# Altium PCB ESP32-PicoDK-BACKUP.PcbDoc
Units mil, origin at the board's own origin, x right, y up, seen from the top; angles counter-clockwise.
Board outline 2080 x 860 mil, 2 copper layers (Top1, Bottom2), stack 40.202 mil thick; 50 components, 69 nets, 281 pads, 141 vias.
Unrouted connection lines stored in the file: 62.
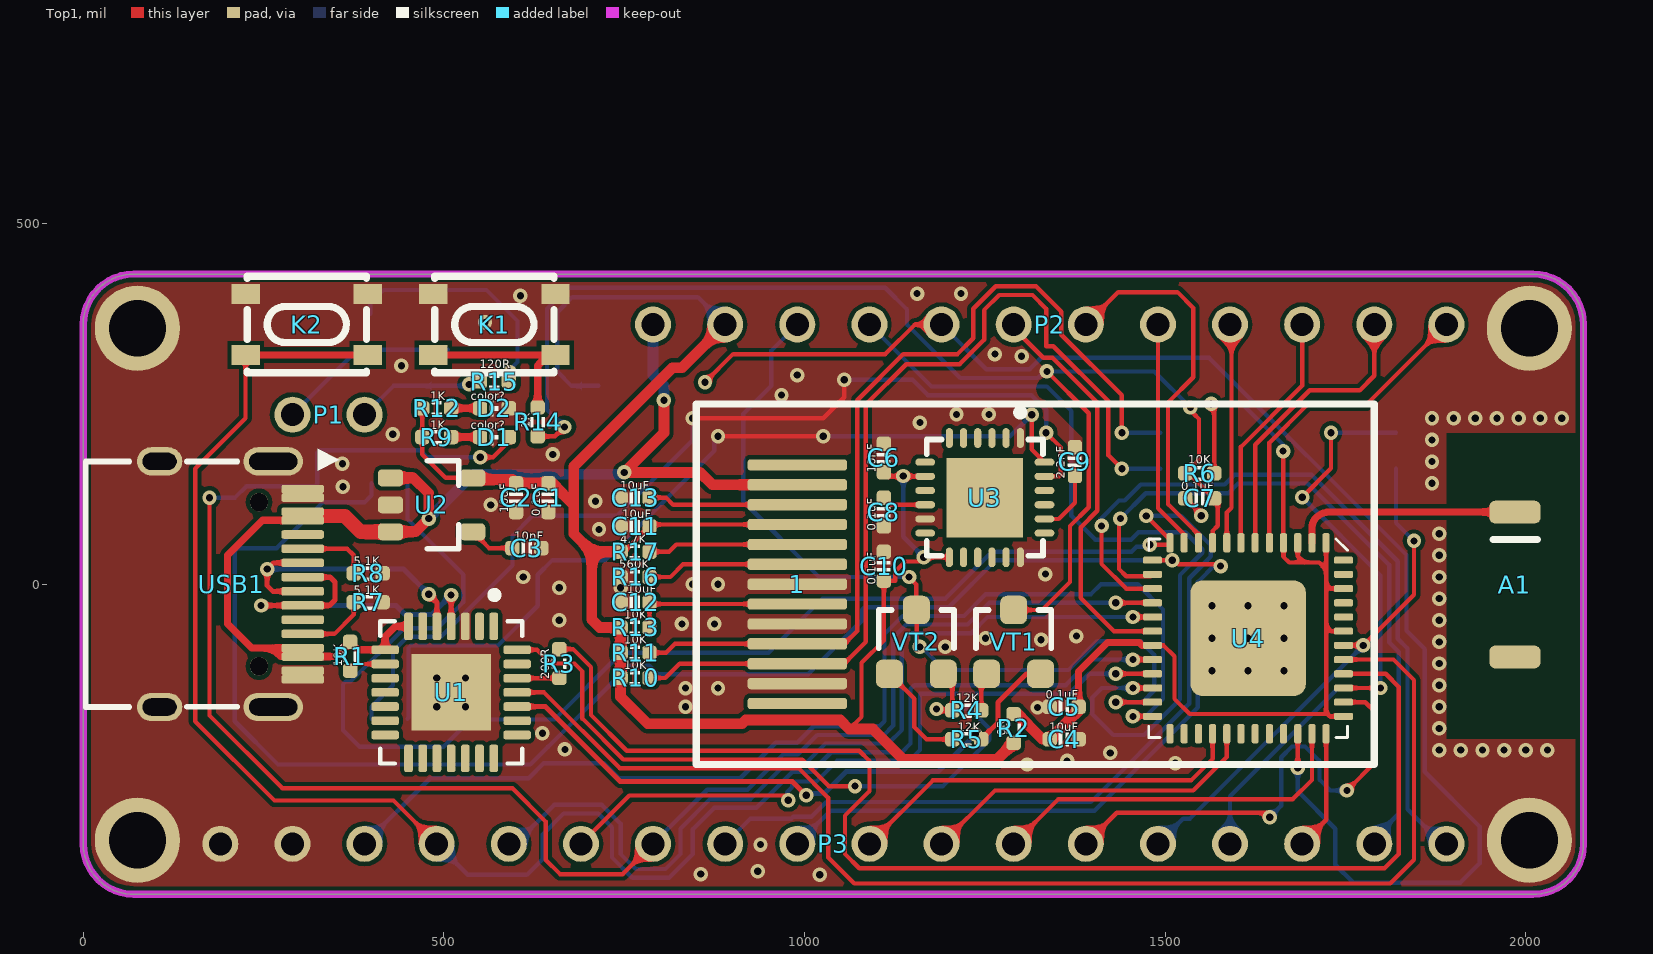
[diagram p0: Top1 view]
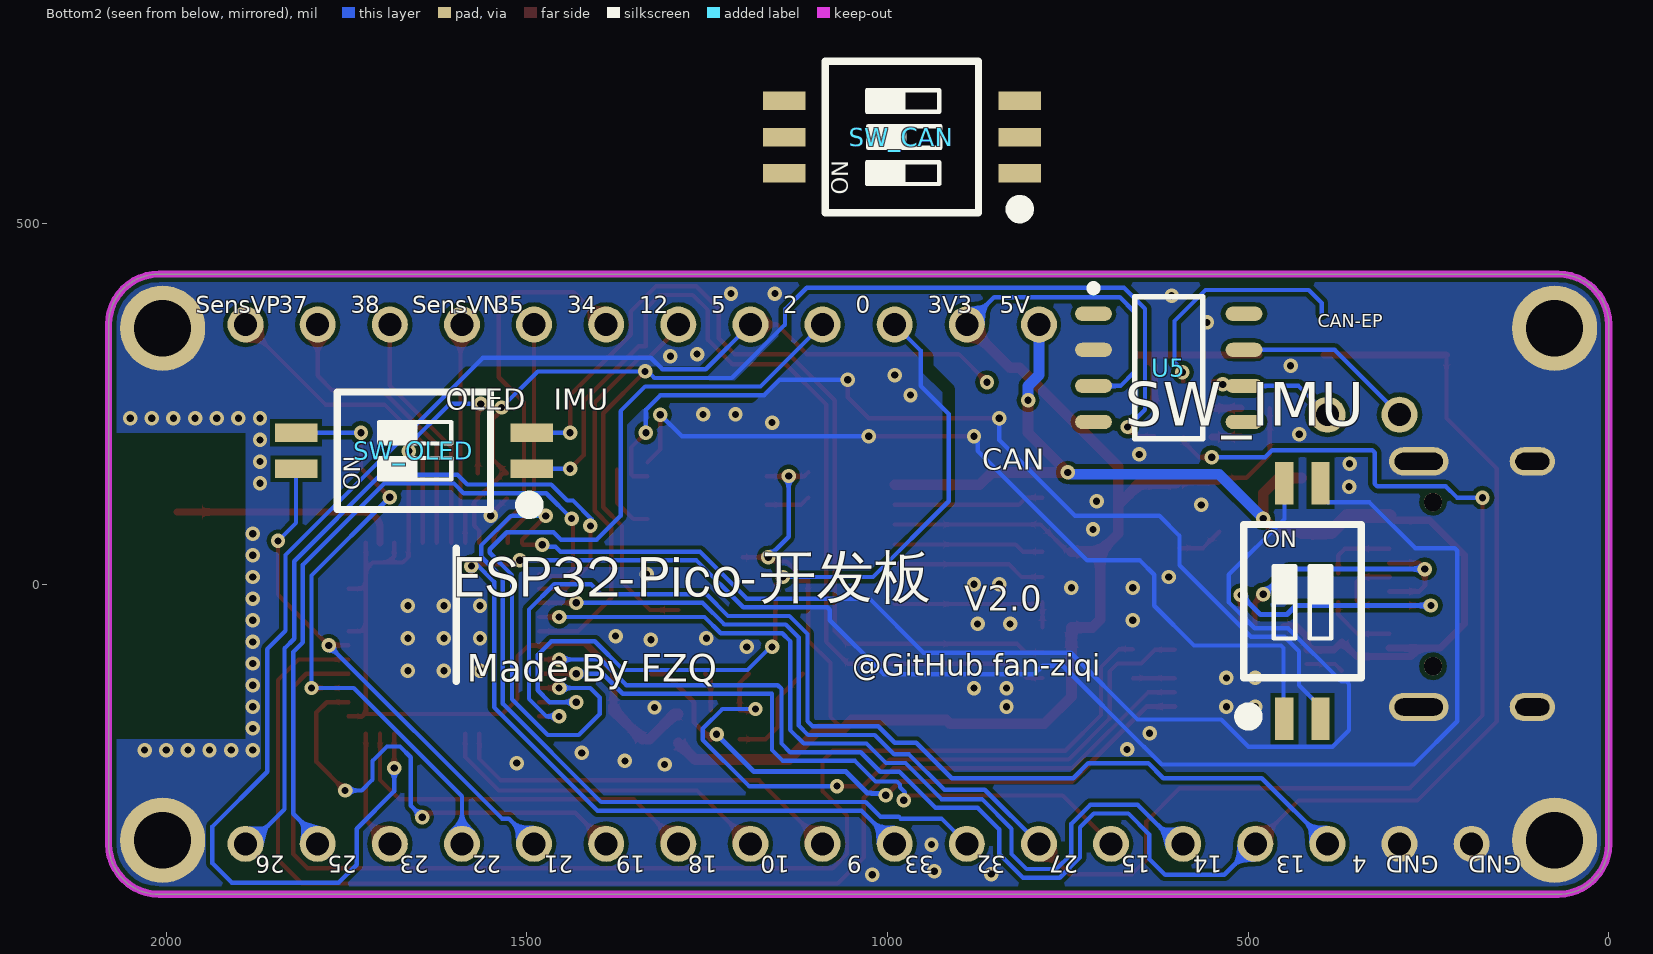
[diagram p1: Bottom2 view, seen from below]
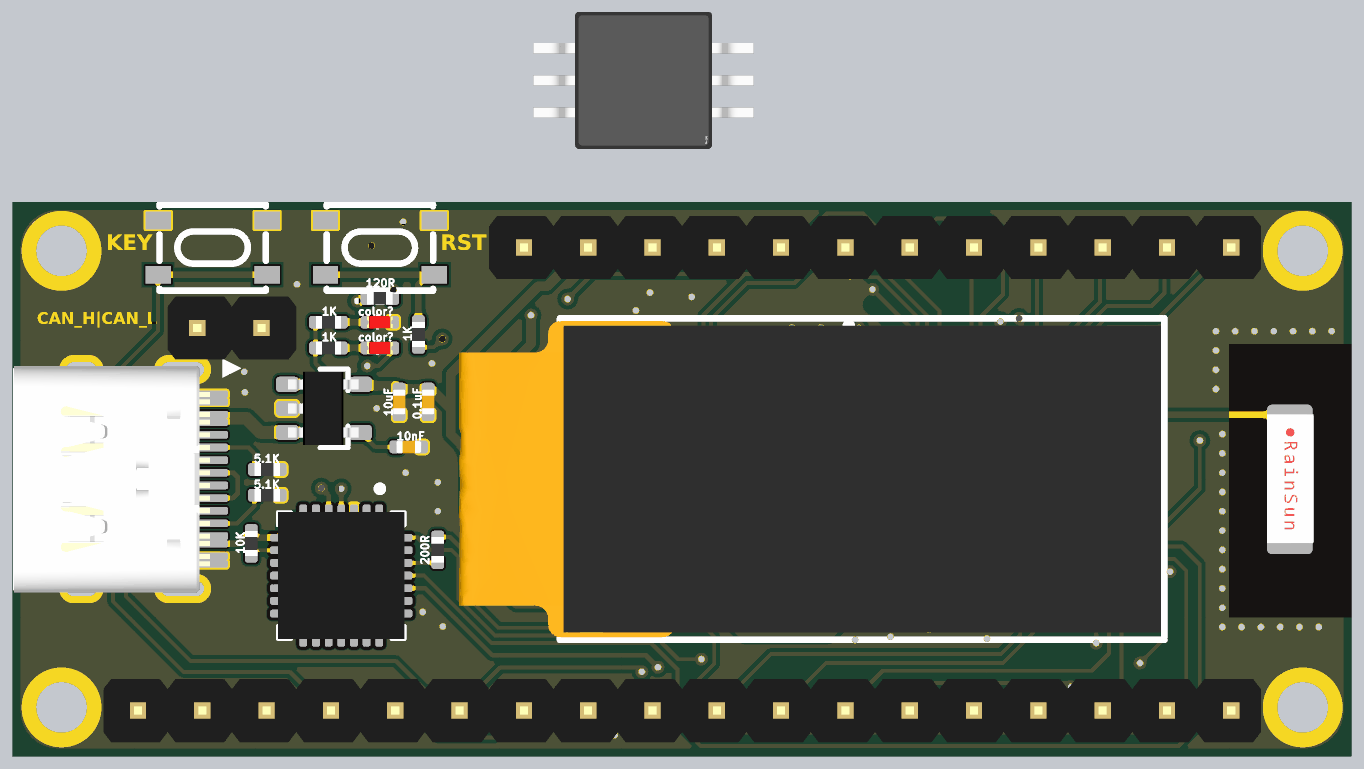
[diagram p2: 3D render of the assembled board from above, using the file's embedded part models]
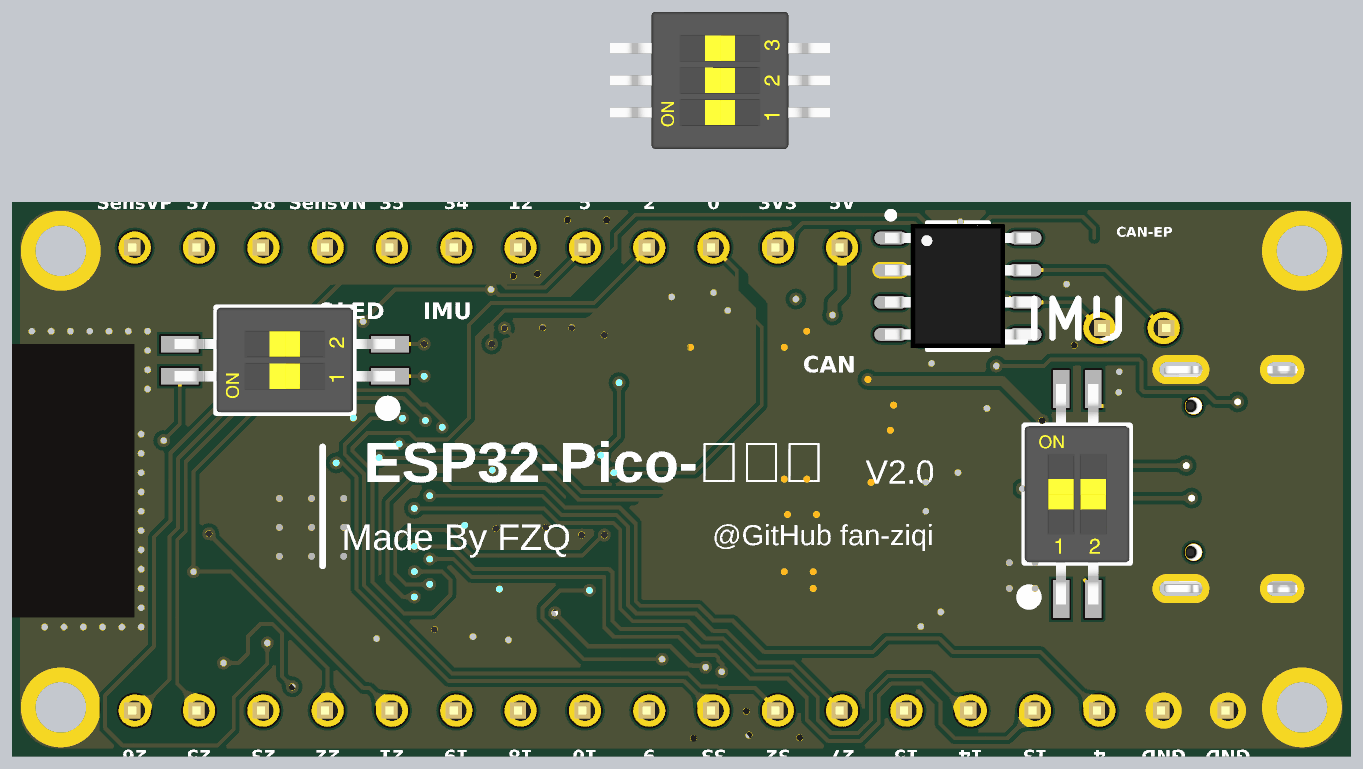
[diagram p3: 3D render of the assembled board from below, using the file's embedded part models]

## Layer stack, top to bottom
Top Solder: solder mask 0.4, Solder Resist, Dk 3.5
Top1: signal copper 1.4
Dielectric 1: core 37.4016, FR-4, Dk 4.2
Bottom2: signal copper 1.4
Bottom Solder: solder mask 0.4, Solder Resist, Dk 3.5

## Board outline
0,-360 0,360 cw(c70,360) 70,430 2010,430 cw(c2010,360) 2080,360 2080,-360 cw(c2010,-360) 2010,-430 70,-430 cw(c70,-360)

## Design rules (kind name [scope] priority, off if disabled: settings)
Clearance [All] p1: gap=6 ignorepadtopadclearanceinfootprint=FALSE
ComponentClearance [All] p1: gap=0 collisioncheckmode=3 verticalgap=0 showdistances=FALSE
DiffPairsRouting [All] p1: maxlimit=9 minlimit=9 mostfreqgap=9 toplayer_minwidth=4 toplayer_maxwidth=4 toplayer_prefwidth=4 bottomlayer_minwidth=4 bottomlayer_maxwidth=4 bottomlayer_prefwidth=4 maxuncoupledlength=500
FanoutControl Fanout_BGA [All] p1: bgadir=Out bgaviamode=Centered fanoutstyle=Auto fanoutdirection=Alternating viagrid=1 // Fanout_BGA (Default Rule)
HoleSize [All] p1: absolutevalues=TRUE maxlimit=10000 minlimit=8 maxpercent=80.000 minpercent=20.000
MinimumSolderMaskSliver [All] p1 off: minsoldermaskwidth=2
PlaneClearance [All] p1: clearance=8
PlaneConnect [All] p1: planeconnectstyle=Direct reliefexpansion=20 reliefentries=4 reliefconductorwidth=10 reliefairgap=10
PolygonConnect [All] p1: connectstyle=Direct reliefconductorwidth=10 reliefentries=4 polygonreliefangle="90 Angle" airgapwidth=10
RoutingVias [All] p1: holewidth=8 width=16 viastyle="Through Hole" minholewidth=6 minwidth=12 maxholewidth=28 maxwidth=50
SilkToBoardRegionClearance [All] p1 off:
SilkToSilkClearance [All] p1: silktosilkclearance=0
SilkToSolderMaskClearance [IsPad] p1: minsilkscreentomaskgap=0 clearancetoexposedcopper=TRUE
SolderMaskExpansion [All] p1: expansion=3 istentingtop=FALSE
Width [All] p1: maxlimit=10000 minlimit=6 preferedwidth=7
20 further rules are at their usual default settings.

## Components (designator, comment, footprint, x,y, rotation, side; value= is the part's Value field where it differs from the comment)
1 "OLED-12880" OLED-12880 990,0 r180 top locked
A1 "RAINSUN" ANT-Rainsun-AN5120 1985,0 r270 top
C1 "0.1uF" CAP_0402 645,120 r90 top value=0.1u
C2 "10uF" CAP_0402 600,120 r90 top value=0.1u
C3 "10nF" CAP_0402 615,50 r180 top value=0.1u
C4 "10uF" CAP_0402 1360,-215 r180 top value=0.1u
C5 "0.1uF" CAP_0402 1360,-170 r0 top value=0.1u
C6 "10nF" CAP_0402 1110,175 r90 top value=0.1u
C7 "0.1uF" CAP_0402 1548,118.89 r180 top value=0.1u
C8 "0.1uF" CAP_0402 1110,100 r270 top value=0.1u
C9 "2.2nF" CAP_0402 1375,170 r270 top value=0.1u
C10 "0.1uF" CAP_0402 1110,25 r270 top value=0.1u
C11 "10uF" CAP_0402 765,80 r0 top value=0.1u
C12 "10uF" CAP_0402 765,-25 r0 top value=0.1u
C13 "10uF" CAP_0402 765,120 r0 top value=0.1u
D1 "color?" LED_0402_RED 570,204 r0 top
D2 "color?" LED_0402_RED 570,244 r0 top
K1 "TACT 4P" SW-SMD_4P-L4.2-W3.3-P2.15-LS5.1 570,360 r0 top value=3.4x3.5
K2 "TACT 4P" SW-SMD_4P-L4.2-W3.3-P2.15-LS5.1 310,360 r0 top value=3.4x3.5
P1 "HDR2x1_2.54" HDR1X2_2.54_180 290,235 r90 top
P2 "HDR1x12_2.54" HDR1X12_2.54_180 1890,360 r270 top locked
P3 "HDR1x18_2.54" HDR1X18_2.54_180 1890,-360 r270 top locked
R1 "10K" RES_0402 370,-100 r270 top value=22R
R2 "0R" RES_0402 1290,-200 r90 top value=22R
R3 "200R" RES_0402 660,-110 r270 top value=22R
R4 "12K" RES_0402 1225,-175 r0 top value=22R
R5 "12K" RES_0402 1225,-215 r180 top value=22R
R6 "10K" RES_0402 1548,153.89 r180 top value=22R
R7 "5.1K" RES_0402 395,-25 r0 top value=22R
R8 "5.1K" RES_0402 395,15 r0 top value=22R
R9 "1K" RES_0402 490,204 r0 top value=22R
R10 "10K" RES_0402 765,-130 r180 top value=22R
R11 "10K" RES_0402 765,-95 r180 top value=22R
R12 "1K" RES_0402 490,244 r0 top value=22R
R13 "10K" RES_0402 765,-60 r180 top value=22R
R14 "1K" RES_0402 630,225 r270 top value=22R
R15 "120R" RES_0402 570,281 r180 top value=22R
R16 "560K" RES_0402 765,10 r180 top value=22R
R17 "4.7K" RES_0402 765,45 r180 top value=22R
SW_CAN "SW-3P" "SW1.27 SMD-3P" 980,620 r90 bottom
SW_IMU "SW-2P" "SW1.27 SMD-2P" 424.57,-23.39 r180 bottom
SW_OLED "SW-2P" "SW1.27 SMD-2P" 1656.61,185 r90 bottom
U1 "CP2102" QFN-28 510,-150 r270 top value=Value
U2 "LP2992 3V3" SOT23-5 485,110 r0 top
U3 "MPU6050" QFN-24 1250,120 r270 top locked
U4 "ESP32_SIP" QFN-48_7X7 1615,-75 r270 top
U5 "SN65HVD232D" SO-8 610,300 r180 bottom
USB1 "Type-C" Type-C-TOP 205,0 r180 top locked
VT1 "S8050" SMT_TRIODE_NPN 1290,-80 r0 top
VT2 "S8050" SMT_TRIODE_NPN 1155,-80 r0 top

## Footprints (in the part's own frame and the unit in brackets; to place one, negate y for a bottom-side part, rotate by r counter-clockwise, add the part's x,y. Pads: shape width x height; smd on the part's side, far side on the other; paste and mask are expansions set on the pad)
ANT-Rainsun-AN5120 [mm] "选择焊盘"
  rrect50% 0.8x1.8 smd: 1(-2.54,0) ""(2.563,0)
  silkscreen extent -1.57,-0.76 -1.57,0.79, body extent -2.57,-0.91 2.54,0.94, height 1.32
CAP_0402 [mil]
  rrect50% 20x20 smd: 1(-20,0) 2(20,0)
  silkscreen extent -7,-9 7,9, body extent -20,-10 20,10, height 20
HDR1X2_2.54_180 [mil]
  round 50 hole 32: 1(0,0) 2(0,-100)
  body extent -49,-150 49,50, height 323
HDR1X12_2.54_180 [mil]
  round 50 hole 32: 1(0,0) 2(0,-100) 3(0,-200) 4(0,-300) 5(0,-400) 6(0,-500) 7(0,-600) 8(0,-700) 9(0,-800) 10(0,-900) 11(0,-1000) 12(0,-1100)
  body extent -49,-1150 49,50, height 323
HDR1X18_2.54_180 [mil]
  round 50 hole 32: 1(0,0) 2(0,-100) 3(0,-200) 4(0,-300) 5(0,-400) 6(0,-500) 7(0,-600) 8(0,-700) 9(0,-800) 10(0,-900) 11(0,-1000) 12(0,-1100) 13(0,-1200) 14(0,-1300) 15(0,-1400) 16(0,-1500) 17(0,-1600) 18(0,-1700)
  body extent -49,-1750 49,50, height 323
LED_0402_RED [mil]
  rrect50% 20x20 smd: 1(-20,0) 2(20,0)
  silkscreen extent -6,-10 6,10, body extent -20,-10 20,10, height 18
OLED-12880 [mm]
  rrect50% 3.5x0.4 smd: 1(0,-4.2) 2(0,-3.5) 3(0,-2.8) 4(0,-2.1) 5(0,-1.4) 6(0,-0.7) 7(0,0) 8(0,0.7) 9(0,1.4) 10(0,2.1) 11(0,2.8) 12(0,3.5) 13(0,4.2)
  silkscreen extent -20.32,-6.35 3.56,6.35, body extent -20.18,-6.25 7.54,6.25, height 1.55
QFN-24 [mm] "QFN, 24-Leads, Body 4.1x4.1mm (max), Pitch 0.50mm, IPC Low Density"
  oval 0.7x0.25 smd: 1(-2.1,1.25) 2(-2.1,0.75) 3(-2.1,0.25) 4(-2.1,-0.25) 5(-2.1,-0.75) 6(-2.1,-1.25) 13(2.1,-1.25) 14(2.1,-0.75) 15(2.1,-0.25) 16(2.1,0.25) 17(2.1,0.75) 18(2.1,1.25)
  oval 0.25x0.7 smd: 7(-1.25,-2.1) 8(-0.75,-2.1) 9(-0.25,-2.1) 10(0.25,-2.1) 11(0.75,-2.1) 12(1.25,-2.1) 19(1.25,2.1) 20(0.75,2.1) 21(0.25,2.1) 22(-0.25,2.1) 23(-0.75,2.1) 24(-1.25,2.1)
  rect 2.8x2.7 smd: ""(0,0)
  silkscreen extent -3.12,-2.05 2.05,2.05, body extent -2.02,-2.02 2.02,2.02, height 0.95
QFN-28 [mil]
  rrect50% 38x12 smd mask+5: 1(-91.5,59.06) 2(-91.5,39.37) 3(-91.5,19.69) 4(-91.5,0) 5(-91.5,-19.68) 6(-91.5,-39.37) 7(-91.5,-59.06) 15(91.5,-59.06) 16(91.5,-39.37) 17(91.5,-19.68) 18(91.5,0) 19(91.5,19.69) 20(91.5,39.37) 21(91.5,59.06)
  rrect50% 12x38 smd mask+5: 8(-59.06,-91.5) 9(-39.37,-91.5) 10(-19.69,-91.5) 11(0,-91.5) 12(19.68,-91.5) 13(39.37,-91.5) 14(59.06,-91.5) 22(59.06,91.5) 23(39.37,91.5) 24(19.68,91.5) 25(0,91.5) 26(-19.69,91.5) 27(-39.37,91.5) 28(-59.06,91.5)
  rect 106.3x110.24 smd: 29(0,0)
  silkscreen extent -140,-99 99,99, body extent -99,-99 98,98, height 35
QFN-48_7X7 [mm]
  rrect50% 0.675x0.25 smd: 1(-3.363,2.75) 2(-3.363,2.25) 3(-3.363,1.75) 4(-3.363,1.25) 5(-3.363,0.75) 6(-3.363,0.25) 7(-3.363,-0.25) 8(-3.363,-0.75) 9(-3.363,-1.25) 10(-3.363,-1.75) 11(-3.363,-2.25) 12(-3.363,-2.75) 25(3.363,-2.75) 26(3.363,-2.25) 27(3.363,-1.75) 28(3.363,-1.25) 29(3.363,-0.75) 30(3.363,-0.25) 31(3.363,0.25) 32(3.363,0.75) 33(3.363,1.25) 34(3.363,1.75) 35(3.363,2.25) 36(3.363,2.75)
  rrect50% 0.25x0.675 smd: 13(-2.75,-3.363) 14(-2.25,-3.363) 15(-1.75,-3.363) 16(-1.25,-3.363) 17(-0.75,-3.363) 18(-0.25,-3.363) 19(0.25,-3.363) 20(0.75,-3.363) 21(1.25,-3.363) 22(1.75,-3.363) 23(2.25,-3.363) 24(2.75,-3.363) 37(2.75,3.363) 38(2.25,3.363) 39(1.75,3.363) 40(1.25,3.363) 41(0.75,3.363) 42(0.25,3.363) 43(-0.25,3.363) 44(-0.75,3.363) 45(-1.25,3.363) 46(-1.75,3.363) 47(-2.25,3.363) 48(-2.75,3.363)
  rrect20% 4.064x4.064 smd: 49(0,0)
  silkscreen extent -3.5,-3.5 3.5,3.5, body extent -3.5,-3.5 3.5,3.5, height 1
RES_0402 [mil]
  rrect50% 20x20 smd: 1(-20,0) 2(20,0)
  silkscreen extent -7,-10 7,10, body extent -20,-10 20,10, height 14
SMT_TRIODE_NPN [mm] "Surface mount NPN transistor, package SOT-23"
  rrect50% 0.95x1 smd: 1(-0.95,-1.125) 2(0.95,-1.125) 3(0,1.125)
  silkscreen extent -1.33,-0.22 1.32,1.13, body extent -1.45,-1.4 1.45,1.4, height 1.3
SO-8 [mm]
  oval 1.3x0.5 smd: 1(-2.65,1.905) 2(-2.65,0.635) 3(-2.65,-0.635) 4(-2.65,-1.905) 5(2.65,-1.905) 6(2.65,-0.635) 7(2.65,0.635) 8(2.65,1.905)
  silkscreen extent -2.78,-2.5 1.2,2.93, body extent -2.89,-2.44 2.89,2.46, height 1.45
SOT23-5 [mm] "SOT23, 3-Leads, Body 3.1x3.0mm (max), Pitch 0.95mm, IPC Medium Density"
  rrect50% 0.889x0.6 smd: 1(-1.5,0.95) 2(-1.5,0) 3(-1.5,-0.95) 4(1.396,-0.95) 5(1.396,0.95)
  silkscreen extent -0.2,-1.55 0.9,1.55, body extent -1.48,-1.45 1.32,1.45, height 1.2
"SW1.27 SMD-2P" [mm] "长：4.14mm，宽：5.4mm，高：2.3mm"
  rect 0.65x1.5 smd: 1(-0.635,-4.15) 2(0.635,-4.15) 3(0.635,4.15) 4(-0.635,4.15)
  silkscreen extent -2.15,-4.31 2.07,2.7, body extent -2.07,-4.35 2.07,4.35, height 2.35
"SW1.27 SMD-3P" [mm] "长：5.41mm，宽：5.4mm，高：2.3mm           淘宝ID:黄晶宝石"
  rect 0.65x1.5 smd: 1(-1.27,-4.15) 2(0,-4.15) 3(1.27,-4.15) 4(1.27,4.15) 5(0,4.15) 6(-1.27,4.15)
  silkscreen extent -2.79,-4.4 2.67,2.7, body extent -2.71,-4.35 2.7,4.35, height 2.35
SW-SMD_4P-L4.2-W3.3-P2.15-LS5.1 [mm]
  rect 1x0.7 smd: 1(-2.15,1.075) 2(2.15,1.075) 3(-2.15,-1.075) 4(2.15,-1.075)
  silkscreen extent -2.1,-1.7 2.1,1.7
Type-C-TOP [mm]
  round 0.65 hole 0.65: 0(-0.98,2.89) 0(-0.98,-2.89)
  oval 1.6x1 hole 0.6 slot 1.2 at 0 deg: 1(2.52,4.325) 2(2.52,-4.325)
  oval 2.1x1 hole 0.6 slot 1.7 at 0 deg: 3(-1.48,-4.325) 4(-1.48,4.325)
  rrect50% 1.5x0.3 smd: A1(-2.52,-3.35) A4(-2.52,-2.55) A5(-2.52,-1.25) A6(-2.52,-0.25) A7(-2.52,0.25) A8(-2.52,1.25) A9(-2.52,2.55) A12(-2.52,3.35) B1(-2.52,3.05) B4(-2.52,2.25) B5(-2.52,1.75) B6(-2.52,0.75) B7(-2.52,-0.75) B8(-2.52,-1.75) B9(-2.52,-2.25) B12(-2.52,-3.05)
  silkscreen extent -0.22,-4.33 5.12,4.33, body extent -2.57,-4.48 5.18,4.48, height 3.26

## Part data
A1: library part ANT-Rainsun-AP5120
C1 C2 C3 C4 C5 C6 C7 C8 C9 C10 C11 C12 C13: library part 电容-0402, "Capacitor"
D1 D2: library part LED_0402, "LED", Type=0402
K1 K2: library part ButtonTACT, "Button", Type="TACT 4P"
P1 P2 P3: "Header"
R1 R2 R3 R4 R5 R6 R7 R8 R9 R10 R11 R12 R13 R14 R15 R16 R17: library part 电阻-0402, "Resistor"
SW_CAN: "3路编码开关", BOM名称=3路编码开关, 联系卖家，免费查找封装=唯一出售店铺网址https://shop463601444.taobao.com
SW_IMU SW_OLED: "2路编码开关", BOM名称=2路编码开关, 联系卖家，免费查找封装=唯一出售店铺网址https://shop463601444.taobao.com
U1: "USB转TTL", MFG #1="SILICON LABS", PART DESC="SINGLE-CHIP USB TO UART BRIDGE, QFN28, RoHS.", PART NUMBER=CP2102, RefDes=RefDes, Type=DEV
U2: library part LP2992, "LDO"
U3: "六轴传感器"
U4: library part ESP32-PICO
U5: Manufacturer="Texas Instruments", Manufacturer Part Number=SN65HVD232DR, Operating Temperature="-40°C ~ 85°C", Package / Case="8-SOIC (0.154\", 3.90mm Width)", Supplier Device Package=8-SOIC, Supplier Part Number 1=296-26344-2-ND, Voltage - Supply="3 V ~ 3.6 V", Category="Integrated Circuits (ICs)", ComponentLink1Description=http://www.ti.com/lit/ds/symlink/sn65hvd230.pdf, ComponentLink1URL=http://www.ti.com/lit/ds/symlink/sn65hvd230.pdf, Data Rate=1Mbps, Duplex=Half, Mounting Type="Surface Mount", Number of Drivers/Receivers=1/1, Packaging="Tape & Reel (TR)", Part Status=Active, Pricing 1="2500=0.84375 (USD)", Pricing 2="1=2.05, 10=1.842, 100=1.4809, 500=1.21668, 1000=1.00811 (USD)", Protocol=CAN, RoHS="RoHS Compliant", Stock=5000, Supplier 1=Digi-Key, Supplier 2=Digi-Key, Supplier Part Number 2=296-26344-1-ND, Type=Transceiver
USB1: library part USB-Type-C-TOP
VT1 VT2: library part SMT_TRIODE_NPN, "Surface mount NPN transistor, package SOT-23"

## Free pads (board coordinates)
  round 118.11 hole 78.74: ""(75,-355) ""(75,355) ""(2005,-355) ""(2005,355)

## Via types
v1: diameter 20, hole 10, Top1 to Bottom2, tented both sides, 141 vias

## Nets (pads, with @x,y where several pads share a name; then routed paths per layer and width w, separated by ;. In a path a pad name is that pad's centre, name@x,y a point inside that pad or via, vN(x,y) a via of type N, cw(c..) or ccw(c..) an arc to the next point about the centre after c; other vN are vias at no path point)
3V3A: C4.2 C5.2 R2.2 R6.1 U4.1 U4.3 U4.4 U4.19 U4.37 U4.43 U4.46 | length 1397.3
  Top1 w6: U4.19 1497.84,-84.84 1513,-100 1513,-159 1534,-180 1721.54,-180 1723.27,-178.27 ; v1(1563.99,250) 1568,245.99 R6.1 ; v1(1663.53,184.6) 1663.87,184.26 1663.87,57.72 U4.4 1664.21,37.79 1672,30 1692.63,30 ; U4.3 1683.9,38.74 1692.63,30 ; U4.1 1723.27,20 ; U4.37 1728.27,-183.27 1723.27,-178.27 ; U4.43 1730.16,-65.16 1723.27,-58.27 ; U4.46 1729.1,-6.1 1723.27,-0.27 ; 1692.63,30 1713.27,30 1723.27,20 ; 1723.27,-178.27 1723.27,-58.27 ; 1723.27,-58.27 1723.27,-0.27 ; 1723.27,-0.27 1723.27,20
  Top1 w10: C5.2 1380,-121 1420,-81 1464,-81 1468,-85 1482.46,-85 U4.19
  Top1 w15: R2.2 1295,-180 1330,-215 C4.2@1335,-215 ; C4.2 1380,-175 C5.2
  Bottom2 w6: v1(1563.99,250) 1606.88,250 1665.42,191.46 1665.42,186.49 v1(1663.53,184.6)
CAN_H: P1.1 SW_CAN.3 U5.7 | length 252.9
  Bottom2 w6: P1.1 380,325 482,325 U5.7
CAN_L: P1.2 R15.2 U5.6 | length 179.1
  Top1 w6: v1(535,277) 539,281 R15.2
  Bottom2 w6: P1.2 430,275 U5.6 533,275 v1(535,277)
CAN_Rx: SW_CAN.2 U5.4
CAN_Tx: SW_CAN.1 U5.1
CP_Rx: U1.25 U4.41 | length 1773.8
  Top1 w6: U1.25 638.68,-150 743.68,-255 991.74,-255 1033,-296.26 1033,-379 1069,-415 1812,-415 1845,-382 1845,-133 1816.53,-104.53 U4.41
CP_Tx: R3.1 U4.40 | length 1776.6
  Top1 w6: R3.1 679,-90 704,-115 704,-181.38 753.62,-231 1076,-231 1090,-245 1090,-286.87 1056,-320.87 1056,-374.08 1075.92,-394 1804.08,-394 1824,-374.08 1824,-142.44 1805.77,-124.21 U4.40
DTR: R4.1 U1.28 VT2.2 | length 976.4
  Top1 w6: U1.28 628.95,-90.94 648,-110 681,-110 692,-121 692,-186.35 748.65,-243 996.71,-243 1033.71,-280 v1(1070,-280) ; v1(1183,-173) 1185,-175 R4.1 1205,-136.89 VT2.2
  Bottom2 w6: v1(1070,-280) 1191.87,-280 1194.74,-277.13 1256,-215.87 1256,-200.13 1228.87,-173 v1(1183,-173)
EN: C7.1 R6.2 R14.2 U4.9 VT1.3 | length 1854.7
  Top1 w6: R14.2 654,205 v1(667,218) ; VT1.3 1329.29,-35.71 1368,3 1368,80.75 1394,106.75 1394,237 v1(1336,295) ; v1(1535,245) 1535,241.21 1540.44,235.78 1540.44,235.57 1547,229 1547,172.89 R6.2 1533,153.89 C7.1 1573,113.89 1573,81 1565.79,73.79 U4.9
  Bottom2 w6: v1(667,218) 643,242 643,382 672,411 1112,411 1142,381 1142,359.92 1215.92,286 1323.21,286 1332.21,295 1485,295 v1(1535,245)
FLASH_CLK: U4.31
FLASH_CS: U4.25
FLASH_SD0: U4.27
FLASH_SD1: U4.33
FLASH_SD2: U4.30
FLASH_SD3: U4.32
GND: 1.7 1.9 1.12 C1.1 C2.1 C3.1 C4.1 C5.1 C6.2 C7.2 C8.2 C9.1 C10.1 C11.1 C12.1 C13.1 D2.2 K1.1 K1.2 K2.1 K2.2 P3.17 P3.18 pad. R7.2 R8.2 R16.2 U1.3 U1.29 U2.2 U3.1 U3.9 U3.11 U3.18 U4.49 U5.2 USB1.1 USB1.2 USB1.3 USB1.4 USB1.A1 USB1.A12 USB1.B1 USB1.B12 | length 33
  Top1 w6: C7.2 1550,96.89 v1(1550,95)
  other v1: 1021,-403 856,-402 935,-398 939,-361 1309,-250 1514,-248 1364,-245 1424,-234 1880,-230 1910,-230 1940,-230 1970,-230 2000,-230 2030,-230 667.78,-229.09 636.57,-206.56 1880,-200 1323,-171 490,-170 530,-170 835,-170 1880,-170 835,-144 880,-144 1880,-140 490,-130 530,-130 1565,-120 1615,-120 1665,-120 1880,-110 1195,-87 1880,-80 1328,-77 1251,-75 1565,-75 1615,-75 1665,-75 1377,-72 830,-55 875,-55 660,-50 1880,-50 1565,-30 1615,-30 1665,-30 1880,-20 660,-5 745,-5 845,0 880,0 610,10 1880,10 1334,14 1880,40 1880,70 715,76 565,110 710,115 360,135 1870,140 359.2,166.93 1870,170 651,180 1870,200 429,208 1160,224 1870,230 1900,230 1930,230 1960,230 1990,230 2020,230 2050,230 1210.7,235.47 1255.7,235.47 968.02,262.24 990,290 441,303 1301,316 1264,319 557,363 606,400 1156,403 1217,403
GPIO0: P2.10 U4.23 VT2.3 | length 1176.2
  Top1 w6: v1(1145,10) 1145,9.49 1155,-0.51 VT2.3 1155.5,-36.21 1155.5,-76.5 1159.91,-80.91 v1(1159.91,-87) ; v1(1431.42,-163.58) U4.23
  Bottom2 w6: P2.10 954,324 954,275.06 915,236.06 915,115 1020,10 v1(1145,10) ; v1(1159.91,-87) 1162,-87 1194,-119 1366,-119 1406,-79 1466,-79 1485,-98 1485,-147 1468.42,-163.58 v1(1431.42,-163.58)
GPIO2: P2.9 U4.22 | length 1170.8
  Top1 w6: v1(1455.27,-143.9) U4.22
  Bottom2 w6: P2.9 1176,274 1336,274 1370,240 1370,95 1403.25,61.75 1452.71,61.75 1462.96,72 1528,72 1551.46,48.55 1551.46,43.57 1520.49,12.61 1520.49,-159.51 1471,-209 1428,-209 1399,-180 1399,-157 1412.1,-143.9 v1(1455.27,-143.9)
GPIO4: P3.16 SW_CAN.5 U4.24 | length 1562
  Top1 w6: v1(1455.27,-183.27) U4.24
  Bottom2 w6: P3.16 481,-269 617.56,-269 638.48,-248.09 721.52,-248.09 742.44,-269 911,-269 960.12,-219.88 989.88,-219.88 1012.77,-197 1104,-197 1111,-190 1111,-69 1136,-44 1221.19,-44 1251.4,-13.79 1397.21,-13.79 1411,0 1462,0 1497,-35 1497,-159 1472.73,-183.27 v1(1455.27,-183.27)
GPIO5: P2.8 SW_CAN.6 U4.34 | length 2045.5
  Top1 w6: v1(862,280) 901,319 1112,319 1153,360 P2.8 ; v1(1683.9,-254.9) U4.34
  Bottom2 w6: P2.8 1252,298 1312.13,298 1328.13,314 1561,314 1834.58,40.42 1834.58,-64.58 1860,-90 1860,-260 1936,-336 1936,-386.97 1908.97,-414 1761.03,-414 1736,-388.97 1736,-339 1683.9,-286.9 v1(1683.9,-254.9)
GPIO9: P3.9 U4.28 | length 559.4
  Top1 w6: P3.9 1178,-272 1536.03,-272 1565.79,-242.24 U4.28
GPIO10: P3.8 U4.29 | length 477.5
  Top1 w6: P3.8 1264,-286 1539,-286 1585.47,-239.53 U4.29
GPIO12: P2.7 U4.18 | length 562.9
  Top1 w6: P2.7 1290,355 1331,314 1343.87,314 1406,251.87 1406,101.78 1383,78.78 1383,-19 1429.16,-65.16 U4.18
GPIO13: K2.3 K2.4 P3.15 U4.20 | length 2425.5
  Top1 w6: K2.3@225,315 225,230 155,160 155,-190 265,-300 430,-300 P3.15 ; v1(1455.27,-104.53) U4.20
  Top1 w10: K2.3 K2.4
  Bottom2 w6: P3.15 533,-403 615,-403 637,-381 637,-347 666,-318 714,-318 733,-337 733,-378.97 761.03,-407 812.03,-407 845,-374.03 845,-340 875,-310 933.5,-310 983.5,-260 1010,-260 1037,-233 1135,-233 1147,-221 1147,-145 1152,-140 1361.97,-140 1397.44,-104.53 v1(1455.27,-104.53)
GPIO14: P3.14 U4.17 | length 1213.9
  Top1 w6: v1(1455.27,-45.47) U4.17
  Bottom2 w6: P3.14 599,-360 653,-306 718.97,-306 745,-332.03 745,-374 766,-395 807.06,-395 828,-374.06 828,-338.97 868.97,-298 925,-298 975,-248 1002,-248 1029,-221 1116,-221 1135,-202 1135,-78.94 1145.94,-68 1231.13,-68 1253.66,-45.47 v1(1455.27,-45.47)
GPIO15: P3.13 U4.21 | length 954.2
  Top1 w6: P3.13 757,-293 973.82,-293 977.34,-296.51 v1(977.34,-299.53) ; v1(1431.42,-124.21) U4.21
  Bottom2 w6: v1(977.34,-299.53) 975.59,-297.78 975.59,-288.62 982.73,-281.48 982.73,-277.74 986.97,-273.5 1016.5,-273.5 1045,-245 1145,-245 1160,-230 1160,-152 1366.94,-152 1394.73,-124.21 v1(1431.42,-124.21)
GPIO18: P3.7 U4.35 | length 514.3
  Top1 w6: P3.7 1352,-298 1677,-298 1703.58,-271.42 U4.35
GPIO19: P3.6 U4.38 | length 677.8
  Top1 w6: P3.6 1433,-317 1639,-317 v1(1645,-323) ; U4.38 1777.58,-163.58 1792,-178 1792,-246 v1(1752,-286)
  Bottom2 w6: v1(1645,-323) 1661,-307 1661,-239.97 1675.97,-225 1694,-225 1714,-245 1714,-271 1729,-286 v1(1752,-286)
GPIO21: P3.5 SW_OLED.4 U4.42 | length 710.4
  Top1 w6: U4.42 v1(1774.73,-84.84) 1845,-14.57 v1(1845,60)
  Bottom2 w6: P3.5 1525,-325 1534.57,-325 v1(1774.73,-84.84) ; SW_OLED.4 1820,85 v1(1845,60)
GPIO22: P3.4 SW_OLED.3 U4.39 | length 893.4
  Top1 w6: v1(1690,120.62) 1730,160.62 v1(1730,210) ; U4.39 v1(1798.58,-143.9)
  Bottom2 w6: P3.4 1590,-294 1740.1,-143.9 v1(1798.58,-143.9) 1798.58,12.04 v1(1690,120.62) ; v1(1730,210) SW_OLED.3
GPIO23: P3.3 U4.36 | length 166.4
  Top1 w6: P3.3 1723.27,-326.73 U4.36
GPIO25: P3.2 U4.14 | length 968.7
  Top1 w6: v1(1438,91) 1435.98,88.98 1435.98,20.96 1445.94,11 1480.04,11 U4.14
  Bottom2 w6: v1(1438,91) 1473.2,126.2 1587.65,126.2 1601.07,139.62 1697.87,139.62 1810.58,26.91 1810.58,-80.55 1824,-93.97 1824,-318.33 1790,-352.33 P3.2
GPIO26: P3.1 U4.15 | length 1058.5
  Top1 w6: v1(1411.84,80.75) 1411.84,28.13 1446.07,-6.1 U4.15
  Bottom2 w6: v1(1411.84,80.75) 1410.03,82.56 1410.03,89.9 1436.13,116 1444,116 1466.2,138.2 1582.68,138.2 1596.1,151.62 1702.84,151.62 1822.58,31.88 1822.58,-75.58 1836,-89 1836,-312 1884,-360 P3.1
GPIO27: D1.2 P3.12 U4.16 | length 2446
  Top1 w6: v1(175,120) 175,-182 276,-283 595,-283 641,-329 641,-382 661,-402 748,-402 P3.12 ; v1(550.31,176) 568,176 590,198 D1.2 ; v1(1431.42,-25.79) U4.16
  Bottom2 w6: v1(175,120) 210.41,120 225.99,135.57 320.94,135.57 324.46,139.09 324.46,182.41 327.97,185.93 466.52,185.93 476.45,176 v1(550.31,176) ; P3.12 865,-285 921.03,-285 970.03,-236 990.74,-236 1017.74,-209 1110,-209 1123,-196 1123,-73.97 1140.97,-56 1226.16,-56 1256.37,-25.79 v1(1431.42,-25.79)
GPIO32: P3.11 SW_IMU.4 U4.12 | length 2861.6
  Top1 w6: v1(1473.78,94.7) 1506.73,61.75 U4.12 1506.73,56.62 1504.81,54.7 v1(1478.78,54.7)
  Bottom2 w6: SW_IMU.4 449.57,90.43 527,13 527,-24.87 490.87,-61 444.52,-61 370.52,-135 363.67,-135 360.16,-138.51 360.16,-202.41 383.04,-225.3 499.37,-225.3 537.11,-187.56 653.44,-187.56 746,-95 950,-95 1025,-20 1195,-20 1260,45 1453.29,45 1460.31,52.02 1476.1,52.02 v1(1478.78,54.7) ; P3.11 925,-325 981.87,-325 984.37,-322.5 1009.71,-322.5 1030.21,-302 1397.03,-302 1533.42,-165.61 1533.42,8.17 1558.46,33.2 1558.46,33.6 1563.46,38.6 1563.46,53.52 1522.32,94.65 1520.35,94.65 1520.3,94.7 v1(1473.78,94.7)
GPIO33: P3.10 SW_IMU.3 U4.13 | length 2882.8
  Top1 w6: U4.13 v1(1510,33.27) 1512.71,33.27 1518.2,27.78 1570,27.78 1572.64,25.14 v1(1576.86,25.14)
  Bottom2 w6: SW_IMU.3 399.57,123.27 389.77,113.47 331.62,113.47 268.15,50 213.51,50 210,46.49 210,-190 270,-250 619.59,-250 644.03,-225.56 644.44,-225.56 757,-113 784.69,-113 796.69,-125 1005,-125 1080,-50 1080,-35.51 1083.51,-32 1199.97,-32 1264.97,33 1509.73,33 v1(1510,33.27) ; P3.10 1036,-314 1402,-314 1545.42,-170.58 1545.42,3.2 1569.5,27.27 1573.84,27.27 1575.98,25.14 v1(1576.86,25.14)
GPIO34: P2.6 U4.10 | length 534.3
  Top1 w6: P2.6 1435,405 1517,405 1539,383 1539,287 1504,252 1504,111 1546.1,68.9 U4.10
GPIO35: P2.5 U4.11 | length 317.7
  Top1 w6: P2.5 1490,105.35 1526.42,68.93 U4.11
GPIO37: P2.2 U4.6 | length 411.7
  Top1 w6: U4.6 1624.84,193.29 1700.55,269 1770,269 1790,289 P2.2
GPIO38: P2.3 U4.7 | length 337.9
  Top1 w6: U4.7 1605,57.54 1605,190.42 1690,275.42 P2.3
MPU_SCL: SW_IMU.2 U3.23 | length 1362.4
  Top1 w6: v1(845,230) 1025.87,230 1055,259.13 v1(1055,283.33) ; U3.23 1352.74,149.53 1355.46,152.25 1355.46,189.54 v1(1335,210)
  Bottom2 w6: SW_IMU.2 399.57,-170.04 429.43,-140.18 429.43,-93.06 449.49,-73 495.84,-73 595,26.16 595,67 623,95 740,95 845,200 v1(845,230) ; v1(1055,283.33) 1149.7,283.33 1171.03,262 1314.87,262 1335,241.87 v1(1335,210)
MPU_SDA: SW_IMU.1 U3.24 | length 1204
  Top1 w6: v1(880,205) v1(1025.87,205) ; v1(1315,235) 1315,186.89 U3.24
  Bottom2 w6: SW_IMU.1 450.94,-185.39 450.94,-88.51 454.46,-85 575,-85 630,-30 630,13 650,33 723,33 875,185 875,200 v1(880,205) ; v1(1025.87,205) 1285,205 v1(1315,235)
Net1_3: 1.3 C13.2 | length 209
  Top1 w6: C13.2 808,120 817.76,110.24 1.3
Net1_5: 1.5 R17.1 | length 209.2
  Top1 w6: R17.1 812,45 822.12,55.12 1.5
Net1_6: 1.6 R16.1 | length 212.3
  Top1 w6: R16.1 814,10 831.56,27.56 1.6
Net1_8: 1.8 C12.2 R13.1 | length 237.4
  Top1 w6: R13.1 C12.2 ; C12.2@787.56,-27.56 1.8
NetA1_1: A1.1 U4.2 | length 314.2
  Top1 w10: U4.2 1703.58,78.09 cw(c1723.96,78.09) 1709.55,92.5 cw(c1727.66,74.39) 1727.66,100 A1.1
NetC3_2: C3.2 U2.4 | length 64.4
  Top1 w6: U2.4 562.54,50 C3.2
NetC8_1: C8.1 U3.10 | length 61.4
  Top1 w6: C8.1 1119.84,110.16 U3.10
NetC9_2: C9.2 U3.20 | length 97.3
  Top1 w6: U3.20 1352.47,90.47 1375,113 C9.2@1375,158.68
NetD1_1: D1.1 R9.2 | length 40
  Top1 w10: R9.2 D1.1
NetD2_1: D2.1 R12.2 | length 40
  Top1 w10: R12.2 D2.1
NetK1_2: K1.3 K1.4 R14.1 | length 248.1
  Top1 w10: K1.3 K1.4 ; R14.1 630,303 642,315 K1.4@644.68,317.68
NetR1_2: R1.2 U1.9 | length 52.4
  Top1 w6: R1.2 379.37,-110.63 U1.9
NetR3_2: R3.2 U1.26 | length 58.2
  Top1 w6: U1.26 R3.2@659.69,-130.31
NetR4_2: R4.2 VT1.1 | length 53.9
  Top1 w6: R4.2 1245,-131.89 VT1.1
NetR5_2: R5.2 VT2.1 | length 148
  Top1 w6: VT2.1 1152,-158.69 1152,-198 1169,-215 R5.2
NetR7_1: R7.1 USB1.B5 | length 98.9
  Top1 w6: USB1.B5 348.1,-68.9 375,-42 R7.1
NetR8_1: R8.1 USB1.A5 | length 99.6
  Top1 w6: USB1.A5 365.79,49.21 375,40 R8.1
NetR15_1: R15.1 SW_CAN.4 | length 333.2
  Top1 w6: R15.1 590,293 v1(591,294)
  Bottom2 w6: 398,375 398,390 416,408 559,408 602,365 602,308 591,297 v1(591,294)
OLED_SCL: 1.10 R11.1 SW_OLED.2 | length 1263.4
  Top1 w6: R11.1 808,-95 820.33,-82.67 1.10 1055.33,-82.67 1073,-65 1073,255 1137,319 1212.03,319 1234,340.97 1234,382 1265,413 1320.97,413 1356,377.97 1356,345.92 1440,261.92 v1(1440,210)
  Bottom2 w6: v1(1440,210) SW_OLED.2
OLED_SDA: 1.11 R10.1 SW_OLED.1 | length 1319
  Top1 w6: R10.1 807,-130 826.77,-110.23 1.11 1054.77,-110.23 1085,-80 1085,249 1141,305 1215,305 1249,339 1249,380 1270,401 1316,401 1335,382 1335,330 1344.84,330 1421,253.84 1421,179 v1(1440,160)
  Bottom2 w6: v1(1440,160) SW_OLED.1
RTS: R5.1 U1.24 VT1.2 | length 857.7
  Top1 w7: U1.24 640.69,-169.68 744.5,-273.5 983.08,-273.5 1002.08,-292.5 v1(1002.37,-292.5) ; R5.1 1268,-192 1268,-164 1307.71,-124.29 VT1.2
  Bottom2 w7: v1(1002.37,-292.5) 1004.86,-290.01 1022.38,-290.01 1022.89,-289.5 1028.08,-289.5 1057.58,-260 1185,-260 v1(1237,-208)
SENSOR_VN: P2.4 U4.8 | length 306.2
  Top1 w6: U4.8 1585.47,99.44 1592,105.97 1592,358 P2.4
SENSOR_VP: P2.1 U4.5 | length 452
  Top1 w6: U4.5 1644.53,196 1697.52,249 1779,249 P2.1
USB-PWR-DM: U1.5 USB1.A7 USB1.B7 | length 415.9
  Top1 w7: USB1.A7 262.84,-9.84 255,-2 v1(255,21) 263.53,29.53 USB1.B7 ; v1(479,-14) 490.32,-25.31 U1.5
  Bottom2 w7: v1(255,21) 444,21 v1(479,-14)
USB-PWR-DP: U1.4 USB1.A6 USB1.B6 | length 501.5
  Top1 w7: v1(246.53,-29.53) USB1.B6 341.47,-29.53 349,-22 349,3 342.16,9.84 USB1.A6 ; U1.4 v1(510,-15)
  Bottom2 w7: v1(246.53,-29.53) 433.53,-29.53 445.91,-41.91 483.09,-41.91 v1(510,-15)
VBUS: 1.2 P2.12 R1.1 U1.7 U1.8 U2.1 U2.3 USB1.A4 USB1.A9 USB1.B4 USB1.B9 | length 1635.6
  Top1 w10: USB1.B4 262,-88.58 ; USB1.B9 248.58,88.58 200,40 200,-55 233.58,-88.58 262,-88.58 ; U1.7 432.5,-58.5 418.5,-72.5 U1.8 380.94,-90.94 R1.1 349.61,-100.39 USB1.A9 273.81,-100.39 262,-88.58
  Top1 w15: U2.3 460.6,72.6 v1(479,91) 479,126 457.6,147.4 U2.1 ; v1(805,255) 805,210 v1(750,155) 855,155 872.2,137.8 1.2
  Top1 w20: USB1.A4@304.21,94.58 362.42,94.58 384.4,72.6 U2.3
  Bottom2 w15: v1(479,91) 540.5,152.5 747.5,152.5 v1(750,155) ; P2.12 790,290 805,275 v1(805,255)
VCC_3V3: 1.4 C1.2 C2.2 C6.1 C10.2 C11.2 P2.11 R2.1 R9.1 R10.2 R11.2 R12.1 R13.2 R17.2 U2.5 U3.8 U3.13 U5.3 | length 2779.6
  Top1 w6: R12.1 R9.1 470,180 502.6,147.4 U2.5 ; R17.2 750,45 C11.2 787.68,82.68 1.4 ; 1062,-201 1079,-184 1079,-109 1110,-78 C10.2 1126,5 1126,17.87 1139.58,31.45 1159.45,31.45 v1(1165.32,37.32) U3.13 ; C6.1 1115.47,149.53 U3.8
  Top1 w15: U2.5 542.35,145 595,145 C2.2 C1.2 650,140 680,110 ; R17.2 705,45 ; P2.11 830,300 816.77,300 680,163.23 680,110 ; R2.1 1267,-243 1137,-243 1095,-201 1062,-201 1049.5,-188.5 918.5,-188.5 913.5,-193.5 782.5,-193.5 745,-156 R10.2 R11.2 R13.2 716,-60 705,-49 705,45 ; 680,110 680,70 705,45
  Bottom2 w6: U5.3 677,275 657,295 657,377 678,398 852,398 P2.11 ; v1(1137,150) 1137,65.65 v1(1165.32,37.32)
pads on no net: 1.1 1.13 A1. U1.1 U1.2 U1.6 U1.10 U1.11 U1.12 U1.13 U1.14 U1.15 U1.16 U1.17 U1.18 U1.19 U1.20 U1.21 U1.22 U1.23 U1.27 U3. U3.2 U3.3 U3.4 U3.5 U3.6 U3.7 U3.12 U3.14 U3.15 U3.16 U3.17 U3.19 U3.21 U3.22 U4.26 U4.44 U4.45 U4.47 U4.48 U5.5 U5.8 USB1.0 USB1.A8 USB1.B8

## Polygon pours and split planes (outlines as drawn)
GND on Top1 "GND_L01_P000" (solid, remove dead copper, pour order 0): -17.65,460.04 -17.65,-459.96 2102.35,-459.96 2102.35,460.04
GND on Bottom2 "GND_L02_P001" (solid, remove dead copper, pour order 1): -20,460 -20,-460 2100,-460 2100,460

## Keep-outs
Keep-Out Layer:
  the board outline again, w10

## Other copper
Top1:
  pour cut-out: 1890,210 1890,-215 2115,-215 2115,210
Bottom2:
  pour cut-out: 1890,210 1890,-215 2115,-215 2115,210

## Silkscreen, mask and mechanical layers (free items; w line width, h text height)
Top Overlay:
  region: 325,157.5 325,187.5 355,172.5
Bottom Overlay:
  lines w10: 1597.84,-135 1597.84,50.16
  text "5V" at 844.24,367.98 h40
  text "3V3" at 944.24,367.98 h40
  text "0" at 1044.24,367.98 h40
  text "2" at 1144.24,367.98 h40
  text "5" at 1244.24,367.98 h40
  text "12" at 1344.24,367.98 h40
  text "34" at 1444.24,367.98 h40
  text "35" at 1544.24,367.98 h40
  text "SensVN" at 1659.09,367.98 h40
  text "38" at 1744.24,367.98 h40
  text "37" at 1844.24,367.98 h40
  text "SensVP" at 1959.09,367.98 h40
  text "CAN-EP" at 403.37,350.01 h30
  text "IMU" at 1462.58,232.01 h50
  text "OLED" at 1612.63,231.97 h50
  text "CAN" at 868.58,148.97 h50
  text "ESP32-Pico-开发板" at 1603.31,-36.5 h100
  text "V2.0" at 893.26,-48.39 h59.06
  text "@GitHub fan-ziqi" at 1048.71,-137.58 h51.18
  text "Made By FZQ" at 1583.26,-147.92 h65
  text "GND" at 120.91,-368.98 h40 r180
  text "GND" at 235.76,-368.98 h40 r180
  text "4" at 335.76,-368.98 h40 r180
  text "13" at 420.91,-368.98 h40 r180
  text "14" at 535.76,-368.98 h40 r180
  text "15" at 635.76,-368.98 h40 r180
  text "27" at 735.76,-368.98 h40 r180
  text "32" at 835.76,-368.98 h40 r180
  text "33" at 935.76,-368.98 h40 r180
  text "9" at 1035.76,-368.98 h40 r180
  text "10" at 1135.76,-368.98 h40 r180
  text "18" at 1235.76,-368.98 h40 r180
  text "19" at 1335.76,-368.98 h40 r180
  text "21" at 1435.76,-368.98 h40 r180
  text "22" at 1535.76,-368.98 h40 r180
  text "23" at 1635.76,-368.98 h40 r180
  text "25" at 1735.76,-368.98 h40 r180
  text "26" at 1835.76,-368.98 h40 r180
Top Solder:
  rectangle: 1890,-215 2115,210
  text "KEY" at 127.18,331.99 h47.24
  text "RST" at 647.65,331.99 h47.24
  text "CAN_H|CAN_L" at -57.53,202.83 h35.43
Bottom Solder:
  rectangle: 1890,-215 2115,210
Mechanical 1:
  the board outline again, w10
Drill Drawing:
  circle w10: c130.62,1907.28 r33.33
  lines w10: 97.29,1140.61 113.96,1140.61 113.96,1123.94 147.29,1123.94 147.29,1140.61 163.96,1140.61 163.96,1173.94 147.29,1173.94 147.29,1190.61 113.96,1190.61 113.96,1173.94 97.29,1173.94 97.29,1140.61 ; 97.29,1290.61 113.96,1290.61 130.62,1273.94 147.29,1290.61 163.96,1290.61 147.29,1307.28 163.96,1323.94 147.29,1323.94 130.62,1340.61 113.96,1323.94 97.29,1323.94 113.96,1307.28 97.29,1290.61 ; 97.29,1423.94 130.62,1440.61 163.96,1423.94 147.29,1457.28 163.96,1490.61 130.62,1473.94 97.29,1490.61 113.96,1457.28 97.29,1423.94 ; 97.29,1640.61 163.96,1640.61 130.62,1573.94 97.29,1640.61 ; 97.29,1723.94 163.96,1723.94 163.96,1790.61 97.29,1790.61 97.29,1723.94
  lines w15: 37.5,1078.94 13245.79,1078.94 ; 37.5,1978.94 13245.79,1978.94 ; 588.38,928.94 588.38,2128.94 ; 1178.22,928.94 1178.22,2128.94 ; 2277.9,928.94 2277.9,2128.94 ; 2783.78,928.94 2783.78,2128.94 ; 3517.58,928.94 3517.58,2128.94 ; 4707.23,928.94 4707.23,2128.94 ; 5297.08,928.94 5297.08,2128.94 ; 6042.88,928.94 6042.88,2128.94 ; 7232.53,928.94 7232.53,2128.94 ; 8086.29,928.94 8086.29,2128.94 ; 9419.9,928.94 9419.9,2128.94 ; 10753.51,928.94 10753.51,2128.94 ; 11843.19,928.94 11843.19,2128.94 ; 37.5,928.94 13245.79,928.94 13245.79,2128.94 37.5,2128.94 37.5,928.94
  text "Symbol" at 127.5,2023.94 h72
  text "Count" at 633.38,2023.94 h72
  text "Hole Size" at 1223.22,2023.94 h72
  text "Plated" at 2322.9,2023.94 h72
  text "Hole Type" at 2828.78,2023.94 h72
  text "Drill Layer Pair" at 3562.58,2023.94 h72
  text "Via/Pad" at 4752.23,2023.94 h72
  text "Pad Shape" at 5342.08,2023.94 h72
  text "Template" at 6087.88,2023.94 h72
  text "Description" at 7277.53,2023.94 h72
  text "Hole Tolerance (+)" at 8131.29,2023.94 h72
  text "Hole Tolerance (-)" at 9464.9,2023.94 h72
  text "Hole Length" at 10798.51,2023.94 h72
  text "Routed Path Length" at 11888.19,2023.94 h72
  text "2" at 633.38,1873.94 h60
  text "23.62mil (0.600mm)" at 1223.22,1873.94 h60
  text "PTH" at 2322.9,1873.94 h60
  text "Slot" at 2828.78,1873.94 h60
  text "Top1 - Bottom2" at 3562.58,1873.94 h60
  text "Pad" at 4752.23,1873.94 h60
  text "Rounded" at 5342.08,1873.94 h60
  text "r160_100h60_120r100" at 6087.88,1873.94 h60
  text "47.24mil (1.200mm)" at 10798.51,1873.94 h60
  text "23.62mil (0.600mm)" at 11888.19,1873.94 h60
  text "2" at 633.38,1723.94 h60
  text "23.62mil (0.600mm)" at 1223.22,1723.94 h60
  text "PTH" at 2322.9,1723.94 h60
  text "Slot" at 2828.78,1723.94 h60
  text "Top1 - Bottom2" at 3562.58,1723.94 h60
  text "Pad" at 4752.23,1723.94 h60
  text "Rounded" at 5342.08,1723.94 h60
  text "r210_100h60_170r100" at 6087.88,1723.94 h60
  text "66.93mil (1.700mm)" at 10798.51,1723.94 h60
  text "43.31mil (1.100mm)" at 11888.19,1723.94 h60
  text "2" at 633.38,1573.94 h60
  text "25.59mil (0.650mm)" at 1223.22,1573.94 h60
  text "PTH" at 2322.9,1573.94 h60
  text "Round" at 2828.78,1573.94 h60
  text "Top1 - Bottom2" at 3562.58,1573.94 h60
  text "Pad" at 4752.23,1573.94 h60
  text "Rounded" at 5342.08,1573.94 h60
  text "c65h65" at 6087.88,1573.94 h60
  text "-" at 10798.51,1573.94 h60
  text "-" at 11888.19,1573.94 h60
  text "4" at 633.38,1423.94 h60
  text "78.74mil (2.000mm)" at 1223.22,1423.94 h60
  text "PTH" at 2322.9,1423.94 h60
  text "Round" at 2828.78,1423.94 h60
  text "Top1 - Bottom2" at 3562.58,1423.94 h60
  text "Pad" at 4752.23,1423.94 h60
  text "Rounded" at 5342.08,1423.94 h60
  text "c300h200" at 6087.88,1423.94 h60
  text "-" at 10798.51,1423.94 h60
  text "-" at 11888.19,1423.94 h60
  text "32" at 633.38,1273.94 h60
  text "32.00mil (0.813mm)" at 1223.22,1273.94 h60
  text "PTH" at 2322.9,1273.94 h60
  text "Round" at 2828.78,1273.94 h60
  text "Top1 - Bottom2" at 3562.58,1273.94 h60
  text "Pad" at 4752.23,1273.94 h60
  text "Rounded" at 5342.08,1273.94 h60
  text "c127h81" at 6087.88,1273.94 h60
  text "-" at 10798.51,1273.94 h60
  text "-" at 11888.19,1273.94 h60
  text "141" at 633.38,1123.94 h60
  text "10.00mil (0.254mm)" at 1223.22,1123.94 h60
  text "PTH" at 2322.9,1123.94 h60
  text "Round" at 2828.78,1123.94 h60
  text "Top1 - Bottom2" at 3562.58,1123.94 h60
  text "Via" at 4752.23,1123.94 h60
  text "Rounded" at 5342.08,1123.94 h60
  text "v51h25m0mx0" at 6087.88,1123.94 h60
  text "-" at 10798.51,1123.94 h60
  text "-" at 11888.19,1123.94 h60
  text "183 Total" at 633.38,973.94 h60
  text "Slot definitions :" at 127.5,828.97 h60
  text "Routed Path Length" at 1160.19,828.97 h60
  text "= Calculated from tool start centre position to tool end centre position." at 2262.86,828.97 h60
  text "Hole Length" at 1160.19,728.99 h60
  text "= Routed Path Length + Tool Size = Slot length as defined in the PCB layout" at 1852.99,728.99 h60

## Text inside footprints (layer, text, board x,y; h text height)
SW_CAN: Bottom Overlay "ON" at 1046.77,540 h39.37 r270
SW_IMU: Bottom Overlay "ON" at 479.57,43.39 h39.37
SW_OLED: Bottom Overlay "ON" at 1723.39,130 h39.37 r270